# KiCad board poly_kb_molecule_16x5.kicad_pcb (continued)
## Placement (name value [footprint] x y rotation side) (continued)
kibuzzard-61EFDAA0#42  G***  [kibuzzard-61EFDAA0]  155.17 68.66 0 top
kibuzzard-61EFDAA0#43  G***  [kibuzzard-61EFDAA0]  288.52 87.71 0 top
kibuzzard-61EFDAA0#44  G***  [kibuzzard-61EFDAA0]  269.47 68.66 0 top
kibuzzard-61EFDAA0#45  G***  [kibuzzard-61EFDAA0]  136.12 87.71 0 top
kibuzzard-61EFDAA0#46  G***  [kibuzzard-61EFDAA0]  2.77 87.71 0 top
kibuzzard-61EFDAA0#47  G***  [kibuzzard-61EFDAA0]  21.82 68.66 0 top
kibuzzard-61EFDAA0#48  G***  [kibuzzard-61EFDAA0]  250.42 49.61 0 top
kibuzzard-61EFDAA0#49  G***  [kibuzzard-61EFDAA0]  193.27 68.66 0 top
kibuzzard-61EFDAA0#50  G***  [kibuzzard-61EFDAA0]  269.47 87.71 0 top
kibuzzard-61EFDAA0#51  G***  [kibuzzard-61EFDAA0]  78.97 49.61 0 top
kibuzzard-61EFDAA0#52  G***  [kibuzzard-61EFDAA0]  40.87 11.51 0 top
kibuzzard-61EFDAA0#53  G***  [kibuzzard-61EFDAA0]  59.92 30.56 0 top
kibuzzard-61EFDAA0#54  G***  [kibuzzard-61EFDAA0]  231.37 49.61 0 top
kibuzzard-61EFDAA0#55  G***  [kibuzzard-61EFDAA0]  212.32 87.71 0 top
kibuzzard-61EFDAA0#56  G***  [kibuzzard-61EFDAA0]  231.37 68.66 0 top
kibuzzard-61EFDAA0#57  G***  [kibuzzard-61EFDAA0]  78.97 68.66 0 top
kibuzzard-61EFDAA0#58  G***  [kibuzzard-61EFDAA0]  174.22 49.61 0 top
kibuzzard-61EFDAA0#59  G***  [kibuzzard-61EFDAA0]  136.12 49.61 0 top
kibuzzard-61EFDAA0#60  G***  [kibuzzard-61EFDAA0]  231.37 30.56 0 top
kibuzzard-61EFDAA0#61  G***  [kibuzzard-61EFDAA0]  59.92 68.66 0 top
kibuzzard-61EFDAA0#62  G***  [kibuzzard-61EFDAA0]  231.37 11.51 0 top
kibuzzard-61EFDAA0#63  G***  [kibuzzard-61EFDAA0]  212.32 11.51 0 top
kibuzzard-61EFDAA0#64  G***  [kibuzzard-61EFDAA0]  2.77 30.56 0 top
kibuzzard-61EFDAA0#65  G***  [kibuzzard-61EFDAA0]  269.47 11.51 0 top
kibuzzard-61EFDAA0#66  G***  [kibuzzard-61EFDAA0]  117.07 49.61 0 top
kibuzzard-61EFDAA0#67  G***  [kibuzzard-61EFDAA0]  59.92 87.71 0 top
kibuzzard-61EFDAA0#68  G***  [kibuzzard-61EFDAA0]  193.27 87.71 0 top
kibuzzard-61EFDAA0#69  G***  [kibuzzard-61EFDAA0]  21.82 49.61 0 top
kibuzzard-61EFDAA0#70  G***  [kibuzzard-61EFDAA0]  78.97 30.56 0 top
kibuzzard-61EFDAA0#71  G***  [kibuzzard-61EFDAA0]  193.27 30.56 0 top
kibuzzard-61EFDAA0#72  G***  [kibuzzard-61EFDAA0]  2.77 68.66 0 top
kibuzzard-61EFDAA0#73  G***  [kibuzzard-61EFDAA0]  269.47 30.56 0 top
kibuzzard-61EFDAA0#74  G***  [kibuzzard-61EFDAA0]  250.42 87.71 0 top
kibuzzard-61EFDAA0#75  G***  [kibuzzard-61EFDAA0]  2.77 49.61 0 top
kibuzzard-61EFDAA0#76  G***  [kibuzzard-61EFDAA0]  98.02 68.66 0 top
kibuzzard-61EFDAA0#77  G***  [kibuzzard-61EFDAA0]  288.52 68.66 0 top
kibuzzard-61EFDAA0#78  G***  [kibuzzard-61EFDAA0]  21.82 87.71 0 top
kibuzzard-61EFDAA0#79  G***  [kibuzzard-61EFDAA0]  212.32 30.56 0 top
kibuzzard-61EFDAA0#80  G***  [kibuzzard-61EFDAA0]  117.07 87.71 0 top
kibuzzard-61EFDAC6  G***  [kibuzzard-61EFDAC6]  35.64 49.61 0 top
kibuzzard-61EFDAC6#2  G***  [kibuzzard-61EFDAC6]  207.09 30.56 0 top
kibuzzard-61EFDAC6#3  G***  [kibuzzard-61EFDAC6]  302.34 68.66 0 top
kibuzzard-61EFDAC6#4  G***  [kibuzzard-61EFDAC6]  111.84 11.51 0 top
kibuzzard-61EFDAC6#5  G***  [kibuzzard-61EFDAC6]  245.19 68.66 0 top
kibuzzard-61EFDAC6#6  G***  [kibuzzard-61EFDAC6]  73.74 11.51 0 top
kibuzzard-61EFDAC6#7  G***  [kibuzzard-61EFDAC6]  283.29 49.61 0 top
kibuzzard-61EFDAC6#8  G***  [kibuzzard-61EFDAC6]  207.09 87.71 0 top
kibuzzard-61EFDAC6#9  G***  [kibuzzard-61EFDAC6]  168.99 49.61 0 top
kibuzzard-61EFDAC6#10  G***  [kibuzzard-61EFDAC6]  302.34 87.71 0 top
kibuzzard-61EFDAC6#11  G***  [kibuzzard-61EFDAC6]  264.24 11.51 0 top
kibuzzard-61EFDAC6#12  G***  [kibuzzard-61EFDAC6]  226.14 87.71 0 top
kibuzzard-61EFDAC6#13  G***  [kibuzzard-61EFDAC6]  149.94 30.56 0 top
kibuzzard-61EFDAC6#14  G***  [kibuzzard-61EFDAC6]  245.19 49.61 0 top
kibuzzard-61EFDAC6#15  G***  [kibuzzard-61EFDAC6]  264.24 49.61 0 top
kibuzzard-61EFDAC6#16  G***  [kibuzzard-61EFDAC6]  245.19 11.51 0 top
kibuzzard-61EFDAC6#17  G***  [kibuzzard-61EFDAC6]  111.84 68.66 0 top
kibuzzard-61EFDAC6#18  G***  [kibuzzard-61EFDAC6]  245.19 87.71 0 top
kibuzzard-61EFDAC6#19  G***  [kibuzzard-61EFDAC6]  16.59 87.71 0 top
kibuzzard-61EFDAC6#20  G***  [kibuzzard-61EFDAC6]  149.94 87.71 0 top
kibuzzard-61EFDAC6#21  G***  [kibuzzard-61EFDAC6]  264.24 30.56 0 top
kibuzzard-61EFDAC6#22  G***  [kibuzzard-61EFDAC6]  245.19 30.56 0 top
kibuzzard-61EFDAC6#23  G***  [kibuzzard-61EFDAC6]  92.79 87.71 0 top
kibuzzard-61EFDAC6#24  G***  [kibuzzard-61EFDAC6]  188.04 11.51 0 top
kibuzzard-61EFDAC6#25  G***  [kibuzzard-61EFDAC6]  149.94 11.51 0 top
kibuzzard-61EFDAC6#26  G***  [kibuzzard-61EFDAC6]  73.74 68.66 0 top
kibuzzard-61EFDAC6#27  G***  [kibuzzard-61EFDAC6]  130.89 87.71 0 top
kibuzzard-61EFDAC6#28  G***  [kibuzzard-61EFDAC6]  16.59 49.61 0 top
kibuzzard-61EFDAC6#29  G***  [kibuzzard-61EFDAC6]  302.34 30.56 0 top
kibuzzard-61EFDAC6#30  G***  [kibuzzard-61EFDAC6]  35.64 87.71 0 top
kibuzzard-61EFDAC6#31  G***  [kibuzzard-61EFDAC6]  188.04 68.66 0 top
kibuzzard-61EFDAC6#32  G***  [kibuzzard-61EFDAC6]  92.79 30.56 0 top
kibuzzard-61EFDAC6#33  G***  [kibuzzard-61EFDAC6]  226.14 49.61 0 top
kibuzzard-61EFDAC6#34  G***  [kibuzzard-61EFDAC6]  92.79 68.66 0 top
kibuzzard-61EFDAC6#35  G***  [kibuzzard-61EFDAC6]  130.89 49.61 0 top
kibuzzard-61EFDAC6#36  G***  [kibuzzard-61EFDAC6]  207.09 11.51 0 top
kibuzzard-61EFDAC6#37  G***  [kibuzzard-61EFDAC6]  168.99 30.56 0 top
kibuzzard-61EFDAC6#38  G***  [kibuzzard-61EFDAC6]  54.69 11.51 0 top
kibuzzard-61EFDAC6#39  G***  [kibuzzard-61EFDAC6]  54.69 49.61 0 top
kibuzzard-61EFDAC6#40  G***  [kibuzzard-61EFDAC6]  207.09 68.66 0 top
kibuzzard-61EFDAC6#41  G***  [kibuzzard-61EFDAC6]  16.59 68.66 0 top
kibuzzard-61EFDAC6#42  G***  [kibuzzard-61EFDAC6]  226.14 30.56 0 top
kibuzzard-61EFDAC6#43  G***  [kibuzzard-61EFDAC6]  16.59 30.56 0 top
kibuzzard-61EFDAC6#44  G***  [kibuzzard-61EFDAC6]  283.29 11.51 0 top
kibuzzard-61EFDAC6#45  G***  [kibuzzard-61EFDAC6]  149.94 68.66 0 top
kibuzzard-61EFDAC6#46  G***  [kibuzzard-61EFDAC6]  264.24 68.66 0 top
kibuzzard-61EFDAC6#47  G***  [kibuzzard-61EFDAC6]  302.34 11.51 0 top
kibuzzard-61EFDAC6#48  G***  [kibuzzard-61EFDAC6]  168.99 68.66 0 top
kibuzzard-61EFDAC6#49  G***  [kibuzzard-61EFDAC6]  92.79 11.51 0 top
kibuzzard-61EFDAC6#50  G***  [kibuzzard-61EFDAC6]  168.99 11.51 0 top
kibuzzard-61EFDAC6#51  G***  [kibuzzard-61EFDAC6]  54.69 68.66 0 top
kibuzzard-61EFDAC6#52  G***  [kibuzzard-61EFDAC6]  188.04 30.56 0 top
kibuzzard-61EFDAC6#53  G***  [kibuzzard-61EFDAC6]  302.34 49.61 0 top
kibuzzard-61EFDAC6#54  G***  [kibuzzard-61EFDAC6]  111.84 49.61 0 top
kibuzzard-61EFDAC6#55  G***  [kibuzzard-61EFDAC6]  283.29 30.56 0 top
kibuzzard-61EFDAC6#56  G***  [kibuzzard-61EFDAC6]  111.84 87.71 0 top
kibuzzard-61EFDAC6#57  G***  [kibuzzard-61EFDAC6]  130.89 68.66 0 top
kibuzzard-61EFDAC6#58  G***  [kibuzzard-61EFDAC6]  130.89 11.51 0 top
kibuzzard-61EFDAC6#59  G***  [kibuzzard-61EFDAC6]  73.74 87.71 0 top
kibuzzard-61EFDAC6#60  G***  [kibuzzard-61EFDAC6]  283.29 68.66 0 top
kibuzzard-61EFDAC6#61  G***  [kibuzzard-61EFDAC6]  130.89 30.56 0 top
kibuzzard-61EFDAC6#62  G***  [kibuzzard-61EFDAC6]  35.64 30.56 0 top
kibuzzard-61EFDAC6#63  G***  [kibuzzard-61EFDAC6]  168.99 87.71 0 top
kibuzzard-61EFDAC6#64  G***  [kibuzzard-61EFDAC6]  35.64 11.51 0 top
kibuzzard-61EFDAC6#65  G***  [kibuzzard-61EFDAC6]  283.29 87.71 0 top
kibuzzard-61EFDAC6#66  G***  [kibuzzard-61EFDAC6]  73.74 49.61 0 top
kibuzzard-61EFDAC6#67  G***  [kibuzzard-61EFDAC6]  111.84 30.56 0 top
kibuzzard-61EFDAC6#68  G***  [kibuzzard-61EFDAC6]  35.64 68.66 0 top
kibuzzard-61EFDAC6#69  G***  [kibuzzard-61EFDAC6]  149.94 49.61 0 top
kibuzzard-61EFDAC6#70  G***  [kibuzzard-61EFDAC6]  226.14 11.51 0 top
kibuzzard-61EFDAC6#71  G***  [kibuzzard-61EFDAC6]  73.74 30.56 0 top
kibuzzard-61EFDAC6#72  G***  [kibuzzard-61EFDAC6]  264.24 87.71 0 top
kibuzzard-61EFDAC6#73  G***  [kibuzzard-61EFDAC6]  207.09 49.61 0 top
kibuzzard-61EFDAC6#74  G***  [kibuzzard-61EFDAC6]  226.14 68.66 0 top
kibuzzard-61EFDAC6#75  G***  [kibuzzard-61EFDAC6]  188.04 87.71 0 top
kibuzzard-61EFDAC6#76  G***  [kibuzzard-61EFDAC6]  54.69 30.56 0 top
kibuzzard-61EFDAC6#77  G***  [kibuzzard-61EFDAC6]  92.79 49.61 0 top
kibuzzard-61EFDAC6#78  G***  [kibuzzard-61EFDAC6]  54.69 87.71 0 top
kibuzzard-61EFDAC6#79  G***  [kibuzzard-61EFDAC6]  16.59 11.51 0 top
kibuzzard-61EFDAC6#80  G***  [kibuzzard-61EFDAC6]  188.04 49.61 0 top
kibuzzard-61EFDAEE  G***  [kibuzzard-61EFDAEE]  231.65 85.73 0 top
kibuzzard-61EFDAEE#2  G***  [kibuzzard-61EFDAEE]  212.6 9.53 0 top
kibuzzard-61EFDAEE#3  G***  [kibuzzard-61EFDAEE]  174.5 9.53 0 top
kibuzzard-61EFDAEE#4  G***  [kibuzzard-61EFDAEE]  155.45 9.53 0 top
kibuzzard-61EFDAEE#5  G***  [kibuzzard-61EFDAEE]  79.25 85.73 0 top
kibuzzard-61EFDAEE#6  G***  [kibuzzard-61EFDAEE]  193.55 85.73 0 top
kibuzzard-61EFDAEE#7  G***  [kibuzzard-61EFDAEE]  3.05 9.53 0 top
kibuzzard-61EFDAEE#8  G***  [kibuzzard-61EFDAEE]  269.75 85.73 0 top
kibuzzard-61EFDAEE#9  G***  [kibuzzard-61EFDAEE]  60.2 9.53 0 top
kibuzzard-61EFDAEE#10  G***  [kibuzzard-61EFDAEE]  212.6 28.58 0 top
kibuzzard-61EFDAEE#11  G***  [kibuzzard-61EFDAEE]  117.35 66.68 0 top
kibuzzard-61EFDAEE#12  G***  [kibuzzard-61EFDAEE]  193.55 66.68 0 top
kibuzzard-61EFDAEE#13  G***  [kibuzzard-61EFDAEE]  288.8 47.63 0 top
kibuzzard-61EFDAEE#14  G***  [kibuzzard-61EFDAEE]  22.1 66.68 0 top
kibuzzard-61EFDAEE#15  G***  [kibuzzard-61EFDAEE]  155.45 47.63 0 top
kibuzzard-61EFDAEE#16  G***  [kibuzzard-61EFDAEE]  41.15 85.73 0 top
kibuzzard-61EFDAEE#17  G***  [kibuzzard-61EFDAEE]  79.25 28.58 0 top
kibuzzard-61EFDAEE#18  G***  [kibuzzard-61EFDAEE]  231.65 28.58 0 top
kibuzzard-61EFDAEE#19  G***  [kibuzzard-61EFDAEE]  269.75 28.58 0 top
kibuzzard-61EFDAEE#20  G***  [kibuzzard-61EFDAEE]  117.35 28.58 0 top
kibuzzard-61EFDAEE#21  G***  [kibuzzard-61EFDAEE]  212.6 47.63 0 top
kibuzzard-61EFDAEE#22  G***  [kibuzzard-61EFDAEE]  250.7 85.73 0 top
kibuzzard-61EFDAEE#23  G***  [kibuzzard-61EFDAEE]  231.65 47.63 0 top
kibuzzard-61EFDAEE#24  G***  [kibuzzard-61EFDAEE]  117.35 9.53 0 top
kibuzzard-61EFDAEE#25  G***  [kibuzzard-61EFDAEE]  174.5 28.58 0 top
kibuzzard-61EFDAEE#26  G***  [kibuzzard-61EFDAEE]  41.15 66.68 0 top
kibuzzard-61EFDAEE#27  G***  [kibuzzard-61EFDAEE]  22.1 28.58 0 top
kibuzzard-61EFDAEE#28  G***  [kibuzzard-61EFDAEE]  22.1 85.73 0 top
kibuzzard-61EFDAEE#29  G***  [kibuzzard-61EFDAEE]  288.8 9.53 0 top
kibuzzard-61EFDAEE#30  G***  [kibuzzard-61EFDAEE]  79.25 47.63 0 top
kibuzzard-61EFDAEE#31  G***  [kibuzzard-61EFDAEE]  288.8 85.73 0 top
kibuzzard-61EFDAEE#32  G***  [kibuzzard-61EFDAEE]  193.55 47.63 0 top
kibuzzard-61EFDAEE#33  G***  [kibuzzard-61EFDAEE]  3.05 66.68 0 top
kibuzzard-61EFDAEE#34  G***  [kibuzzard-61EFDAEE]  231.65 66.68 0 top
kibuzzard-61EFDAEE#35  G***  [kibuzzard-61EFDAEE]  212.6 85.73 0 top
kibuzzard-61EFDAEE#36  G***  [kibuzzard-61EFDAEE]  117.35 47.63 0 top
kibuzzard-61EFDAEE#37  G***  [kibuzzard-61EFDAEE]  60.2 85.73 0 top
kibuzzard-61EFDAEE#38  G***  [kibuzzard-61EFDAEE]  98.3 9.53 0 top
kibuzzard-61EFDAEE#39  G***  [kibuzzard-61EFDAEE]  117.35 85.73 0 top
kibuzzard-61EFDAEE#40  G***  [kibuzzard-61EFDAEE]  269.75 66.68 0 top
kibuzzard-61EFDAEE#41  G***  [kibuzzard-61EFDAEE]  250.7 47.63 0 top
kibuzzard-61EFDAEE#42  G***  [kibuzzard-61EFDAEE]  22.1 9.53 0 top
kibuzzard-61EFDAEE#43  G***  [kibuzzard-61EFDAEE]  250.7 66.68 0 top
kibuzzard-61EFDAEE#44  G***  [kibuzzard-61EFDAEE]  250.7 28.58 0 top
kibuzzard-61EFDAEE#45  G***  [kibuzzard-61EFDAEE]  231.65 9.53 0 top
kibuzzard-61EFDAEE#46  G***  [kibuzzard-61EFDAEE]  3.05 28.58 0 top
kibuzzard-61EFDAEE#47  G***  [kibuzzard-61EFDAEE]  60.2 66.68 0 top
kibuzzard-61EFDAEE#48  G***  [kibuzzard-61EFDAEE]  98.3 28.58 0 top
kibuzzard-61EFDAEE#49  G***  [kibuzzard-61EFDAEE]  3.05 47.63 0 top
kibuzzard-61EFDAEE#50  G***  [kibuzzard-61EFDAEE]  174.5 85.73 0 top
kibuzzard-61EFDAEE#51  G***  [kibuzzard-61EFDAEE]  98.3 66.68 0 top
kibuzzard-61EFDAEE#52  G***  [kibuzzard-61EFDAEE]  288.8 66.68 0 top
kibuzzard-61EFDAEE#53  G***  [kibuzzard-61EFDAEE]  60.2 28.58 0 top
kibuzzard-61EFDAEE#54  G***  [kibuzzard-61EFDAEE]  136.4 66.68 0 top
kibuzzard-61EFDAEE#55  G***  [kibuzzard-61EFDAEE]  193.55 28.58 0 top
kibuzzard-61EFDAEE#56  G***  [kibuzzard-61EFDAEE]  288.8 28.58 0 top
kibuzzard-61EFDAEE#57  G***  [kibuzzard-61EFDAEE]  3.05 85.73 0 top
kibuzzard-61EFDAEE#58  G***  [kibuzzard-61EFDAEE]  155.45 66.68 0 top
kibuzzard-61EFDAEE#59  G***  [kibuzzard-61EFDAEE]  41.15 47.63 0 top
kibuzzard-61EFDAEE#60  G***  [kibuzzard-61EFDAEE]  136.4 47.63 0 top
kibuzzard-61EFDAEE#61  G***  [kibuzzard-61EFDAEE]  250.7 9.53 0 top
kibuzzard-61EFDAEE#62  G***  [kibuzzard-61EFDAEE]  155.45 28.58 0 top
kibuzzard-61EFDAEE#63  G***  [kibuzzard-61EFDAEE]  269.75 47.63 0 top
kibuzzard-61EFDAEE#64  G***  [kibuzzard-61EFDAEE]  212.6 66.68 0 top
kibuzzard-61EFDAEE#65  G***  [kibuzzard-61EFDAEE]  98.3 85.73 0 top
kibuzzard-61EFDAEE#66  G***  [kibuzzard-61EFDAEE]  98.3 47.63 0 top
kibuzzard-61EFDAEE#67  G***  [kibuzzard-61EFDAEE]  41.15 28.58 0 top
kibuzzard-61EFDAEE#68  G***  [kibuzzard-61EFDAEE]  136.4 85.73 0 top
kibuzzard-61EFDAEE#69  G***  [kibuzzard-61EFDAEE]  41.15 9.53 0 top
kibuzzard-61EFDAEE#70  G***  [kibuzzard-61EFDAEE]  174.5 47.63 0 top
kibuzzard-61EFDAEE#71  G***  [kibuzzard-61EFDAEE]  22.1 47.63 0 top
kibuzzard-61EFDAEE#72  G***  [kibuzzard-61EFDAEE]  60.2 47.63 0 top
kibuzzard-61EFDAEE#73  G***  [kibuzzard-61EFDAEE]  174.5 66.68 0 top
kibuzzard-61EFDAEE#74  G***  [kibuzzard-61EFDAEE]  79.25 66.68 0 top
kibuzzard-61EFDAEE#75  G***  [kibuzzard-61EFDAEE]  136.4 28.58 0 top
kibuzzard-61EFDAEE#76  G***  [kibuzzard-61EFDAEE]  269.75 9.53 0 top
kibuzzard-61EFDAEE#77  G***  [kibuzzard-61EFDAEE]  193.55 9.53 0 top
kibuzzard-61EFDAEE#78  G***  [kibuzzard-61EFDAEE]  79.25 9.53 0 top
kibuzzard-61EFDAEE#79  G***  [kibuzzard-61EFDAEE]  155.45 85.73 0 top
kibuzzard-61EFDAEE#80  G***  [kibuzzard-61EFDAEE]  136.4 9.53 0 top
kibuzzard-61EFDD1E  G***  [kibuzzard-61EFDD1E]  197.74 20.32 0 top
kibuzzard-61EFDD1E#2  G***  [kibuzzard-61EFDD1E]  216.79 20.32 0 top
kibuzzard-61EFDD1E#3  G***  [kibuzzard-61EFDD1E]  292.99 77.47 0 top
kibuzzard-61EFDD1E#4  G***  [kibuzzard-61EFDD1E]  102.49 39.37 0 top
kibuzzard-61EFDD1E#5  G***  [kibuzzard-61EFDD1E]  121.54 39.37 0 top
kibuzzard-61EFDD1E#6  G***  [kibuzzard-61EFDD1E]  216.79 77.47 0 top
kibuzzard-61EFDD1E#7  G***  [kibuzzard-61EFDD1E]  64.39 1.27 0 top
kibuzzard-61EFDD1E#8  G***  [kibuzzard-61EFDD1E]  64.39 58.42 0 top
kibuzzard-61EFDD1E#9  G***  [kibuzzard-61EFDD1E]  7.24 39.37 0 top
kibuzzard-61EFDD1E#10  G***  [kibuzzard-61EFDD1E]  273.94 77.47 0 top
kibuzzard-61EFDD1E#11  G***  [kibuzzard-61EFDD1E]  178.69 20.32 0 top
kibuzzard-61EFDD1E#12  G***  [kibuzzard-61EFDD1E]  102.49 1.27 0 top
kibuzzard-61EFDD1E#13  G***  [kibuzzard-61EFDD1E]  140.59 58.42 0 top
kibuzzard-61EFDD1E#14  G***  [kibuzzard-61EFDD1E]  7.24 77.47 0 top
kibuzzard-61EFDD1E#15  G***  [kibuzzard-61EFDD1E]  254.89 58.42 0 top
kibuzzard-61EFDD1E#16  G***  [kibuzzard-61EFDD1E]  26.29 20.32 0 top
kibuzzard-61EFDD1E#17  G***  [kibuzzard-61EFDD1E]  26.29 58.42 0 top
kibuzzard-61EFDD1E#18  G***  [kibuzzard-61EFDD1E]  197.74 58.42 0 top
kibuzzard-61EFDD1E#19  G***  [kibuzzard-61EFDD1E]  178.69 77.47 0 top
kibuzzard-61EFDD1E#20  G***  [kibuzzard-61EFDD1E]  235.84 58.42 0 top
kibuzzard-61EFDD1E#21  G***  [kibuzzard-61EFDD1E]  178.69 58.42 0 top
kibuzzard-61EFDD1E#22  G***  [kibuzzard-61EFDD1E]  235.84 39.37 0 top
kibuzzard-61EFDD1E#23  G***  [kibuzzard-61EFDD1E]  273.94 20.32 0 top
kibuzzard-61EFDD1E#24  G***  [kibuzzard-61EFDD1E]  83.44 20.32 0 top
kibuzzard-61EFDD1E#25  G***  [kibuzzard-61EFDD1E]  254.89 20.32 0 top
kibuzzard-61EFDD1E#26  G***  [kibuzzard-61EFDD1E]  83.44 39.37 0 top
kibuzzard-61EFDD1E#27  G***  [kibuzzard-61EFDD1E]  45.34 77.47 0 top
kibuzzard-61EFDD1E#28  G***  [kibuzzard-61EFDD1E]  7.24 20.32 0 top
kibuzzard-61EFDD1E#29  G***  [kibuzzard-61EFDD1E]  140.59 1.27 0 top
kibuzzard-61EFDD1E#30  G***  [kibuzzard-61EFDD1E]  83.44 1.27 0 top
kibuzzard-61EFDD1E#31  G***  [kibuzzard-61EFDD1E]  178.69 39.37 0 top
kibuzzard-61EFDD1E#32  G***  [kibuzzard-61EFDD1E]  216.79 58.42 0 top
kibuzzard-61EFDD1E#33  G***  [kibuzzard-61EFDD1E]  216.79 39.37 0 top
kibuzzard-61EFDD1E#34  G***  [kibuzzard-61EFDD1E]  121.54 58.42 0 top
kibuzzard-61EFDD1E#35  G***  [kibuzzard-61EFDD1E]  292.99 39.37 0 top
kibuzzard-61EFDD1E#36  G***  [kibuzzard-61EFDD1E]  216.79 1.27 0 top
kibuzzard-61EFDD1E#37  G***  [kibuzzard-61EFDD1E]  102.49 20.32 0 top
kibuzzard-61EFDD1E#38  G***  [kibuzzard-61EFDD1E]  64.39 77.47 0 top
kibuzzard-61EFDD1E#39  G***  [kibuzzard-61EFDD1E]  197.74 39.37 0 top
kibuzzard-61EFDD1E#40  G***  [kibuzzard-61EFDD1E]  292.99 20.32 0 top
kibuzzard-61EFDD1E#41  G***  [kibuzzard-61EFDD1E]  83.44 77.47 0 top
kibuzzard-61EFDD1E#42  G***  [kibuzzard-61EFDD1E]  26.29 1.27 0 top
kibuzzard-61EFDD1E#43  G***  [kibuzzard-61EFDD1E]  254.89 39.37 0 top
kibuzzard-61EFDD1E#44  G***  [kibuzzard-61EFDD1E]  45.34 20.32 0 top
kibuzzard-61EFDD1E#45  G***  [kibuzzard-61EFDD1E]  64.39 39.37 0 top
kibuzzard-61EFDD1E#46  G***  [kibuzzard-61EFDD1E]  7.24 58.42 0 top
kibuzzard-61EFDD1E#47  G***  [kibuzzard-61EFDD1E]  197.74 77.47 0 top
kibuzzard-61EFDD1E#48  G***  [kibuzzard-61EFDD1E]  159.64 1.27 0 top
kibuzzard-61EFDD1E#49  G***  [kibuzzard-61EFDD1E]  292.99 1.27 0 top
kibuzzard-61EFDD1E#50  G***  [kibuzzard-61EFDD1E]  102.49 77.47 0 top
kibuzzard-61EFDD1E#51  G***  [kibuzzard-61EFDD1E]  64.39 20.32 0 top
kibuzzard-61EFDD1E#52  G***  [kibuzzard-61EFDD1E]  159.64 58.42 0 top
kibuzzard-61EFDD1E#53  G***  [kibuzzard-61EFDD1E]  254.89 77.47 0 top
kibuzzard-61EFDD1E#54  G***  [kibuzzard-61EFDD1E]  159.64 20.32 0 top
kibuzzard-61EFDD1E#55  G***  [kibuzzard-61EFDD1E]  45.34 58.42 0 top
kibuzzard-61EFDD1E#56  G***  [kibuzzard-61EFDD1E]  254.89 1.27 0 top
kibuzzard-61EFDD1E#57  G***  [kibuzzard-61EFDD1E]  197.74 1.27 0 top
kibuzzard-61EFDD1E#58  G***  [kibuzzard-61EFDD1E]  102.49 58.42 0 top
kibuzzard-61EFDD1E#59  G***  [kibuzzard-61EFDD1E]  159.64 39.37 0 top
kibuzzard-61EFDD1E#60  G***  [kibuzzard-61EFDD1E]  273.94 1.27 0 top
kibuzzard-61EFDD1E#61  G***  [kibuzzard-61EFDD1E]  83.44 58.42 0 top
kibuzzard-61EFDD1E#62  G***  [kibuzzard-61EFDD1E]  159.64 77.47 0 top
kibuzzard-61EFDD1E#63  G***  [kibuzzard-61EFDD1E]  121.54 1.27 0 top
kibuzzard-61EFDD1E#64  G***  [kibuzzard-61EFDD1E]  121.54 20.32 0 top
kibuzzard-61EFDD1E#65  G***  [kibuzzard-61EFDD1E]  121.54 77.47 0 top
kibuzzard-61EFDD1E#66  G***  [kibuzzard-61EFDD1E]  273.94 58.42 0 top
kibuzzard-61EFDD1E#67  G***  [kibuzzard-61EFDD1E]  235.84 77.47 0 top
kibuzzard-61EFDD1E#68  G***  [kibuzzard-61EFDD1E]  235.84 1.27 0 top
kibuzzard-61EFDD1E#69  G***  [kibuzzard-61EFDD1E]  45.34 1.27 0 top
kibuzzard-61EFDD1E#70  G***  [kibuzzard-61EFDD1E]  7.24 1.27 0 top
kibuzzard-61EFDD1E#71  G***  [kibuzzard-61EFDD1E]  140.59 77.47 0 top
kibuzzard-61EFDD1E#72  G***  [kibuzzard-61EFDD1E]  235.84 20.32 0 top
kibuzzard-61EFDD1E#73  G***  [kibuzzard-61EFDD1E]  140.59 20.32 0 top
kibuzzard-61EFDD1E#74  G***  [kibuzzard-61EFDD1E]  292.99 58.42 0 top
kibuzzard-61EFDD1E#75  G***  [kibuzzard-61EFDD1E]  26.29 77.47 0 top
kibuzzard-61EFDD1E#76  G***  [kibuzzard-61EFDD1E]  26.29 39.37 0 top
kibuzzard-61EFDD1E#77  G***  [kibuzzard-61EFDD1E]  45.34 39.37 0 top
kibuzzard-61EFDD1E#78  G***  [kibuzzard-61EFDD1E]  140.59 39.37 0 top
kibuzzard-61EFDD1E#79  G***  [kibuzzard-61EFDD1E]  178.69 1.27 0 top
kibuzzard-61EFDD1E#80  G***  [kibuzzard-61EFDD1E]  273.94 39.37 0 top
LED1  -  [WS2812B-Mini]  9.52 93.34 0 top
LED1#2  -  [WS2812B-Mini]  123.82 55.24 0 top
LED1#3  -  [WS2812B-Mini]  85.72 17.15 0 top
LED1#4  -  [WS2812B-Mini]  66.67 36.19 0 top
LED1#5  -  [WS2812B-Mini]  123.82 74.3 0 top
LED1#6  -  [WS2812B-Mini]  257.18 36.19 0 top
LED1#7  -  [WS2812B-Mini]  161.93 74.3 0 top
LED1#8  -  [WS2812B-Mini]  276.23 36.19 0 top
LED1#9  -  [WS2812B-Mini]  142.88 93.34 0 top
LED1#10  -  [WS2812B-Mini]  104.78 17.15 0 top
LED1#11  -  [WS2812B-Mini]  66.67 55.24 0 top
LED1#12  -  [WS2812B-Mini]  85.72 55.24 0 top
LED1#13  -  [WS2812B-Mini]  28.58 55.24 0 top
LED1#14  -  [WS2812B-Mini]  276.23 55.24 0 top
LED1#15  -  [WS2812B-Mini]  200.03 36.19 0 top
LED1#16  -  [WS2812B-Mini]  104.78 93.34 0 top
LED1#17  -  [WS2812B-Mini]  180.97 36.19 0 top
LED1#18  -  [WS2812B-Mini]  295.27 36.19 0 top
LED1#19  -  [WS2812B-Mini]  142.88 17.15 0 top
LED1#20  -  [WS2812B-Mini]  295.27 17.15 0 top
LED1#21  -  [WS2812B-Mini]  9.52 55.24 0 top
LED1#22  -  [WS2812B-Mini]  219.07 74.3 0 top
LED1#23  -  [WS2812B-Mini]  104.78 36.19 0 top
LED1#24  -  [WS2812B-Mini]  200.03 74.3 0 top
LED1#25  -  [WS2812B-Mini]  276.23 74.3 0 top
LED1#26  -  [WS2812B-Mini]  47.62 36.19 0 top
LED1#27  -  [WS2812B-Mini]  123.82 17.15 0 top
LED1#28  -  [WS2812B-Mini]  142.88 55.24 0 top
LED1#29  -  [WS2812B-Mini]  295.27 93.34 0 top
LED1#30  -  [WS2812B-Mini]  180.97 93.34 0 top
LED1#31  -  [WS2812B-Mini]  238.12 74.3 0 top
LED1#32  -  [WS2812B-Mini]  9.52 36.19 0 top
LED1#33  -  [WS2812B-Mini]  47.62 17.15 0 top
LED1#34  -  [WS2812B-Mini]  9.52 17.15 0 top
LED1#35  -  [WS2812B-Mini]  161.93 55.24 0 top
LED1#36  -  [WS2812B-Mini]  85.72 36.19 0 top
LED1#37  -  [WS2812B-Mini]  142.88 36.19 0 top
LED1#38  -  [WS2812B-Mini]  142.88 74.3 0 top
LED1#39  -  [WS2812B-Mini]  161.93 36.19 0 top
LED1#40  -  [WS2812B-Mini]  161.93 17.15 0 top
LED1#41  -  [WS2812B-Mini]  66.67 93.34 0 top
LED1#42  -  [WS2812B-Mini]  219.07 36.19 0 top
LED1#43  -  [WS2812B-Mini]  28.58 36.19 0 top
LED1#44  -  [WS2812B-Mini]  257.18 17.15 0 top
LED1#45  -  [WS2812B-Mini]  47.62 93.34 0 top
LED1#46  -  [WS2812B-Mini]  295.27 74.3 0 top
LED1#47  -  [WS2812B-Mini]  257.18 93.34 0 top
LED1#48  -  [WS2812B-Mini]  276.23 17.15 0 top
LED1#49  -  [WS2812B-Mini]  104.78 74.3 0 top
LED1#50  -  [WS2812B-Mini]  200.03 55.24 0 top
LED1#51  -  [WS2812B-Mini]  180.97 74.3 0 top
LED1#52  -  [WS2812B-Mini]  123.82 36.19 0 top
LED1#53  -  [WS2812B-Mini]  85.72 74.3 0 top
LED1#54  -  [WS2812B-Mini]  219.07 55.24 0 top
LED1#55  -  [WS2812B-Mini]  66.67 17.15 0 top
LED1#56  -  [WS2812B-Mini]  123.82 93.34 0 top
LED1#57  -  [WS2812B-Mini]  104.78 55.24 0 top
LED1#58  -  [WS2812B-Mini]  238.12 17.15 0 top
LED1#59  -  [WS2812B-Mini]  200.03 17.15 0 top
LED1#60  -  [WS2812B-Mini]  161.93 93.34 0 top
LED1#61  -  [WS2812B-Mini]  219.07 17.15 0 top
LED1#62  -  [WS2812B-Mini]  238.12 55.24 0 top
LED1#63  -  [WS2812B-Mini]  295.27 55.24 0 top
LED1#64  -  [WS2812B-Mini]  47.62 74.3 0 top
LED1#65  -  [WS2812B-Mini]  200.03 93.34 0 top
LED1#66  -  [WS2812B-Mini]  257.18 74.3 0 top
LED1#67  -  [WS2812B-Mini]  66.67 74.3 0 top
LED1#68  -  [WS2812B-Mini]  219.07 93.34 0 top
LED1#69  -  [WS2812B-Mini]  276.23 93.34 0 top
LED1#70  -  [WS2812B-Mini]  257.18 55.24 0 top
LED1#71  -  [WS2812B-Mini]  9.52 74.3 0 top
LED1#72  -  [WS2812B-Mini]  238.12 93.34 0 top
LED1#73  -  [WS2812B-Mini]  85.72 93.34 0 top
LED1#74  -  [WS2812B-Mini]  28.58 17.15 0 top
LED1#75  -  [WS2812B-Mini]  238.12 36.19 0 top
LED1#76  -  [WS2812B-Mini]  180.97 17.15 0 top
LED1#77  -  [WS2812B-Mini]  47.62 55.24 0 top
LED1#78  -  [WS2812B-Mini]  180.97 55.24 0 top
LED1#79  -  [WS2812B-Mini]  28.58 74.3 0 top
LED1#80  -  [WS2812B-Mini]  28.58 93.34 0 top
R1  1M  [R_0402_1005Metric]  3.4 12.81 270 bottom
R1#2  1M  [R_0402_1005Metric]  79.6 69.96 270 bottom
R1#3  1M  [R_0402_1005Metric]  98.65 69.96 270 bottom
R1#4  1M  [R_0402_1005Metric]  117.7 12.81 270 bottom
R1#5  1M  [R_0402_1005Metric]  136.75 69.96 270 bottom
R1#6  1M  [R_0402_1005Metric]  79.6 50.91 270 bottom
R1#7  1M  [R_0402_1005Metric]  98.65 31.86 270 bottom
R1#8  1M  [R_0402_1005Metric]  3.4 31.86 270 bottom
R1#9  1M  [R_0402_1005Metric]  41.5 50.91 270 bottom
R1#10  1M  [R_0402_1005Metric]  232 50.91 270 bottom
R1#11  1M  [R_0402_1005Metric]  193.9 12.81 270 bottom
R1#12  1M  [R_0402_1005Metric]  289.15 31.86 270 bottom
R1#13  1M  [R_0402_1005Metric]  22.45 12.81 270 bottom
R1#14  1M  [R_0402_1005Metric]  22.45 69.96 270 bottom
R1#15  1M  [R_0402_1005Metric]  22.45 50.91 270 bottom
R1#16  1M  [R_0402_1005Metric]  3.4 50.91 270 bottom
R1#17  1M  [R_0402_1005Metric]  98.65 12.81 270 bottom
R1#18  1M  [R_0402_1005Metric]  232 69.96 270 bottom
R1#19  1M  [R_0402_1005Metric]  79.6 31.86 270 bottom
R1#20  1M  [R_0402_1005Metric]  41.5 89.01 270 bottom
R1#21  1M  [R_0402_1005Metric]  270.1 12.81 270 bottom
R1#22  1M  [R_0402_1005Metric]  232 12.81 270 bottom
R1#23  1M  [R_0402_1005Metric]  98.65 50.91 270 bottom
R1#24  1M  [R_0402_1005Metric]  212.95 69.96 270 bottom
R1#25  1M  [R_0402_1005Metric]  60.55 50.91 270 bottom
R1#26  1M  [R_0402_1005Metric]  174.85 69.96 270 bottom
R1#27  1M  [R_0402_1005Metric]  232 31.86 270 bottom
R1#28  1M  [R_0402_1005Metric]  60.55 69.96 270 bottom
R1#29  1M  [R_0402_1005Metric]  251.05 31.86 270 bottom
R1#30  1M  [R_0402_1005Metric]  22.45 89.01 270 bottom